# Altium PCB PCB1 - Copy.PcbDoc (part 1 of 2) (continued)
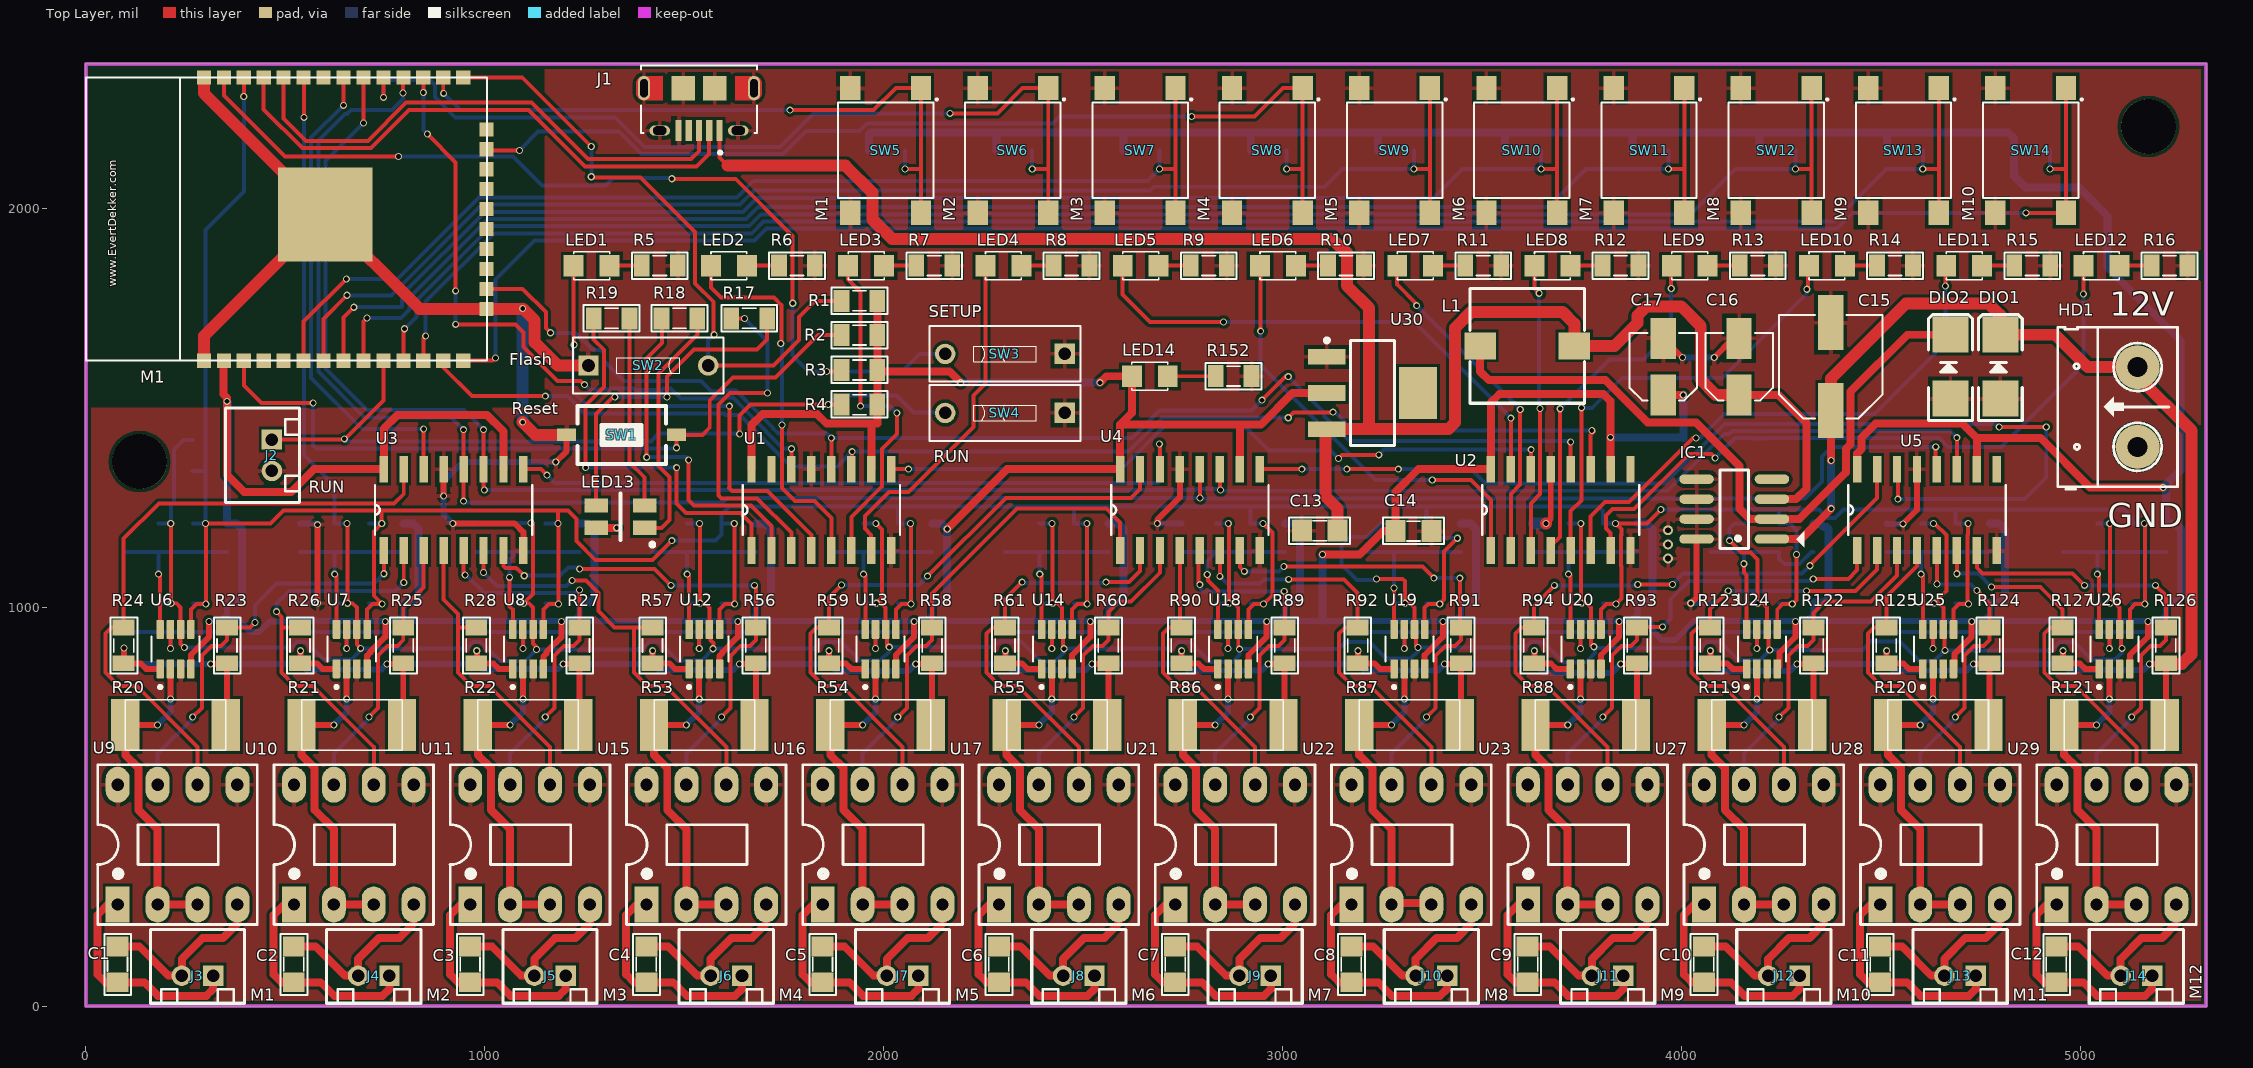
[diagram p0: Top Layer view]
## Footprints (in the part's own frame and the unit in brackets; to place one, negate y for a bottom-side part, rotate by r counter-clockwise, add the part's x,y. Pads: shape width x height; smd on the part's side, far side on the other; paste and mask are expansions set on the pad)
62000211622 [mm] "2.00mm Male Vertical Shrouded Header, 2p"
  rect 1.3x1.3 hole 0.8: 1(1,-0.6)
  round 1.3 hole 0.8: 2(-1,-0.6)
  silkscreen extent -3,-2.35 3,2.35, body extent -3,-2.35 3,2.35, height 6.15
AMPHENOL_10118194-0001LF [mm]
  rect 0.4x1.35 smd: 1(-1.3,2.7) 2(-0.65,2.7) 3(0,2.7) 4(0.65,2.7) 5(1.3,2.7)
  oval 1.3x0.65 hole 0.55 slot 0.85 at 0 deg: S1(-2.5,2.7) S2(2.5,2.7)
  oval 0.775x1.55 hole 0.5 slot 1.15 at 90 deg: S3(-3.5,0) S6(3.5,0)
  rect 1.5x1.55 smd: S4(-1,0) S5(1,0)
  Top Layer region: 193 vertices and 0 holes, not listed, extent -4,-0.775 -2.3,0.78
  Top Layer region: 193 vertices and 0 holes, not listed, extent 2.3,-0.78 4,0.775
  silkscreen extent -3.7,-1.45 3.7,4.2
CAP-ALU-SMD-4.5x5x1.4 [mm]
  rect 2.6x1.6 smd: 1(-1.8,0) 2(1.8,0)
  silkscreen extent -2.15,-2.15 2.15,2.15, body extent -2.5,-2.15 2.5,2.15, height 5.45
CAP-ALU-SMD-6.3x7.7x2.2 [mm]
  rect 3.5x1.6 smd: 1(-2.8,0) 2(2.8,0)
  silkscreen extent -3.3,-3.3 3.3,3.3, body extent -3.65,-3.3 3.65,3.3, height 7.65
DIO-SMD-106 [mil]
  rect 90x90.55 smd: 1(80,0) 2(-80,0)
  silkscreen extent -130,-55 135,55, body extent -99,-50 106,52, height 95
DIP8 [mil] "DIP, 8-Leads, Row Spacing 7.62mm, Pitch 2.54mm, Body 9.91x6.73mm"
  rect 60x90 hole 31: 1(-145,-150)
  oval 60x90 hole 31: 2(-45,-150) 3(55,-150) 4(155,-150) 5(155,150) 6(55,150) 7(-45,150) 8(-145,150)
  silkscreen extent -195,-200 205,200, body extent -213,-153 213,153, height 177
ESP32S [mm] "ESP32S-Module"
  rect 0.9x0.9 smd: 1(0,18.034) 2(0,16.764) 3(0,15.494) 4(0,14.224) 5(0,12.954) 6(0,11.684) 7(0,10.414) 8(0,9.144) 9(0,7.874) 10(0,6.604) 11(0,5.334) 12(0,4.064) 13(0,2.794) 14(0,1.524) 15(3.3,0.034) 16(4.57,0.034) 17(5.84,0.034) 18(7.11,0.034) 19(8.38,0.034) 20(9.65,0.034) 21(10.92,0.034) 22(12.19,0.034) 23(13.46,0.034) 24(14.73,0.034) 25(18.034,1.524) 26(18.034,2.794) 27(18.034,4.064) 28(18.034,5.334) 29(18.034,6.604) 30(18.034,7.874) 31(18.034,9.144) 32(18.034,10.414) 33(18.034,11.684) 34(18.034,12.954) 35(18.034,14.224) 36(18.034,15.494) 37(18.034,16.764) 38(18.034,18.034)
  rect 6x6 smd: 101(9.3,10.3)
  silkscreen extent 0,0 18.03,25.53, body extent 0,0 18.03,25.53, height 2
HED2 [mil] "Header 2, 2 pin, hight 300mil, Pin to Pin 200, Colour Green"
  round 110 hole 50: 1(0,0) 2(200,0)
  silkscreen extent -106,-100 300,200, body extent -92,-140 302,155, height 394
L-SMD-M-7.3x4.5 [mm] "WE-PDA SMD Shielded Power Inductor, 7345"
  rect 1.7x2 smd: 1(0,3) 2(0,-3)
  silkscreen extent -3.65,-3.65 3.65,3.65, body extent -3.65,-3.65 3.65,3.65, height 4.05
"LED RGB 3528" [mm] "Chip LED, 4-Leads, Body 2.8x3.5mm (max), Pitch 1.42mm, IPC Medium Density"
  rect 1.5x0.9 smd: 1(1.55,0.707) 2(1.55,-0.71) 3(-1.55,0.707) 4(-1.55,-0.707)
  silkscreen extent -2.16,-1.5 0.03,1.9, body extent -1.75,-1.4 1.75,1.4, height 1.87
LED-0805-Blue [mil]
  rect 50x55 smd: 1(0,0) 2(90,0)
  silkscreen extent 0,-35 90,35, body extent 5,-25 85,25, height 43
RES-SMD-0603 [mm]
  rect 0.6x0.9 smd: 1(-0.889,0) 2(0.927,0)
  silkscreen extent -1.4,-0.64 1.4,0.64, body extent -0.8,-0.4 0.8,0.4, height 0.43
RES-SMD-0805 [mil]
  rect 39.37x55 smd: 1(-45,0) 2(45,0)
  silkscreen extent -70,-34 70,33, body extent -39,-25 39,25, height 31
RES-SMD-2512 [mm] "Chip Capacitor, Body 3.2x2.5mm, IPC Medium Density"
  rect 1.8x3.3 smd: 1(-3.2,0.127) 2(3.2,0.127)
  silkscreen extent -3.2,-1.47 3.2,1.73, body extent -3.2,-1.47 3.2,1.73, height 0.6
SM-CAP-0805 [mil]
  rect 50x55 smd: 1(0,0) 2(90,0)
  silkscreen extent -32,-34 121,33, body extent 6,-25 84,25, height 31
SO-8 [mm] "8-Pin Small Outline Integrated Circuit 1.27 mm Pitch, IPC Medium Density"
  oval 2.2x0.6 smd: 1(-2.4,1.905) 2(-2.4,0.635) 3(-2.4,-0.635) 4(-2.4,-1.905) 5(2.4,-1.905) 6(2.4,-0.635) 7(2.4,0.635) 8(2.4,1.905)
  silkscreen extent -4.44,-2.5 0.9,2.5, body extent -2.93,-2.51 3.08,2.49, height 1.75
SOIC127P600X175-16N [mil]
  rect 67x21 smd: 1(-102,175) 2(-102,125) 3(-102,75) 4(-102,25) 5(-102,-25) 6(-102,-75) 7(-102,-125) 8(-102,-175) 9(102,-175) 10(102,-125) 11(102,-75) 12(102,-25) 13(102,25) 14(102,75) 15(102,125) 16(102,175)
  silkscreen extent -62,-197 62,197
SOT65P280X145-8N [mm]
  rrect25% 1.21x0.48 smd: 1(-1.255,0.975) 2(-1.255,0.325) 3(-1.255,-0.325) 4(-1.255,-0.975) 5(1.255,-0.975) 6(1.255,-0.325) 7(1.255,0.325) 8(1.255,0.975)
  silkscreen extent -2.51,-1.54 0.8,1.54
SOT223 [mm]
  rect 1x2.4 smd: 1(-2.3,-2.9) 2(0,-2.9) 3(2.3,-2.9)
  rect 3.3x2.4 smd: 4(0,2.9)
  silkscreen extent -3.47,-3.02 3.35,1.4, body extent -3.25,-3.56 3.25,3.4, height 1.68
SW1-SMD [mm]
  rect 1.2x0.8 smd: 1(-3.5,0) 2(3.5,0)
  silkscreen extent -2.82,-1.85 2.82,1.85, body extent -3.05,-1.85 3.05,1.85, height 2.5
SW2-SMD [mm] "6*6mm vertical type, SMD, height 5.0mm, black actuator, 160gf, T&R"
  rect 1.55x1.3 smd: 1(-3.975,2.25) 2(-3.975,-2.25) 3(3.975,-2.25) 4(3.975,2.25)
  silkscreen extent -3.29,-3.04 3.04,3.29, body extent -4.5,-3.1 4.5,3.1, height 4.99
SW-DIP1-1 [mm] "01p, 2.54mm Pitch, Horizontal, Box Type, THT, flat Actuator, red, without Tape, Tube"
  rect 1.3x1.3 hole 0.8: 1(0,-3.81)
  round 1.3 hole 0.8: 2(0,3.81)
  silkscreen extent -1.77,-4.8 1.77,4.8, body extent -1.77,-4.8 1.77,4.8, height 5.4

## Part data
C1 C2 C3 C4 C5 C6 C7 C8 C9 C10 C11 C12 C13 C14: library part CN
C15: library part CN-ALU-SMD, "Polarized Capacitor (Axial)"
C16 C17: "Polarized Capacitor (Axial)"
DIO1 DIO2: "Default Diode"
HD1: library part Hed2, "Header 2 (Green)"
IC1: library part LS1240A, "Electronic Two-Tone Ringer"
J1: "USB - micro B USB 2.0 Receptacle Connector 5 Position Surface Mount, Right Angle; Through Hole"
J2 J3 J4 J5 J6 J7 J8 J9 J10 J11 J12 J13 J14: library part 62000211622, "WR-WTB 2.00mm Male Vertical Shrouded Header, 2p"
L1: library part L-SMD-1
LED1 LED2 LED3 LED4 LED5 LED6 LED7 LED8 LED9 LED10 LED11 LED12 LED14: library part "LED SMD"
LED13: library part "LED RGB SMD", "SMD Full-Color Top LED, WL-SFTW, Red & Green & Blue"
M1: "Esp-32S"
R1 R2 R3 R4 R5 R6 R7 R8 R9 R10 R11 R12 R13 R14 R15 R16 R17 R18 R19 R20 R21 R22 R23 R24 R25 R26 R27 R28 R29 R30 R31 R32 R33 R34 R35 R36 R37 R38 R39 R40 R41 R42 R43 R44 R45 R46 R47 R48 R49 R50 R51 R52 R53 R54 R55 R56 R57 R58 R59 R60 R61 R62 R63 R64 R65 R66 R67 R68 R69 R70 R71 R72 R73 R74 R75 R76 R77 R78 R79 R80 R81 R82 R83 R84 R85 R86 R87 R88 R89 R90 R91 R92 R93 R94 R95 R96 R97 R98 R99 R100 R101 R102 R103 R104 R105 R106 R107 R108 R109 R110 R111 R112 R113 R114 R115 R116 R117 R118 R119 R120 R121 R122 R123 R124 R125 R126 R127 R128 R129 R130 R131 R132 R133 R134 R135 R136 R137 R138 R139 R140 R141 R142 R143 R144 R145 R146 R147 R148 R149 R150 R151 R152 R153 R154 R155 R156 R157 R158 R159 R160 R161 R162 R163 R164: library part Res-SMD, "Resistor"
SW1 SW2 SW3 SW4: library part SW2, "Switch button 2 pin"
SW5 SW6 SW7 SW8 SW9 SW10 SW11 SW12 SW13 SW14: library part SW4, "Switch button 4 pin"
U1 U2 U3 U4 U5: "Shift Shift Register 1 Element 8 Bit 16-SO"
U6 U7 U8 U12 U13 U14 U18 U19 U20 U24 U25 U26: "26V, 12-bit, i2c output current/voltage/power monitor 8-SOT-23 -40 to 125"
U9 U10 U11 U15 U16 U17 U21 U22 U23 U27 U28 U29: "Half-Bridge Driver"
U30: library part LM1117, "800mA Low-Dropout Linear Regulator"

## Free pads (board coordinates)
  round 137.8 hole 137.8: 2(135,1365) 2(5170,2205)
  round 25 hole 15: 6(3966,1193) 7(3966,1157.5) 8(3966,1122)

## Via types
v1: diameter 17.72, hole 11.81, Top Layer to Bottom Layer, tented both sides, 328 vias

## Nets (pads, with @x,y where several pads share a name; then routed paths per layer and width w, separated by ;. In a path a pad name is that pad's centre, name@x,y a point inside that pad or via, vN(x,y) a via of type N, cw(c..) or ccw(c..) an arc to the next point about the centre after c; other vN are vias at no path point)
3V3_1: C14.2 C17.1 LED13.1 LED14.1 M1.2 R1.1 R2.2 R3.1 R4.1 R39.1 R41.1 R43.1 R44.1 R46.1 R48.1 R72.1 R74.1 R76.1 R77.1 R79.1 R81.1 R105.1 R107.1 R109.1 R110.1 R112.1 R114.1 R138.1 R140.1 R142.1 R143.1 R145.1 R147.1 R153.1 R154.1 R155.1 R156.1 R157.1 R158.1 R159.1 R160.1 R161.1 R162.1 R163.1 R164.1 U1.10 U1.16 U2.10 U2.16 U3.10 U3.16 U4.10 U4.16 U5.10 U5.16 U6.4 U7.4 U8.4 U12.4 U13.4 U14.4 U18.4 U19.4 U20.4 U24.4 U25.4 U26.4 U30.2 | length 22175.7
  Top Layer w15: U6.4@263.38,845.59 263.38,880.38 309,926 v1(309,964) ; U7.4@705.2,845.59 705.2,878.75 713.36,886.91 713.36,888.54 750.82,926 v1(750.82,964) ; U8.4@1147.02,845.59 1147.02,876.57 1154.36,883.91 1154.36,887.72 1192.64,926 v1(1192.64,964) ; U12.4@1588.84,845.59 1588.84,878.39 1596.36,885.91 1596.36,887.9 1634.45,926 v1(1634.45,964) ; U13.4@2030.66,845.59 2030.66,880.38 2076.27,926 v1(2076.27,964) ; U14.4@2472.47,845.59 2472.47,880.38 2518.09,926 v1(2518.09,964) ; U18.4@2914.29,845.59 2914.29,880.38 2959.91,926 v1(2959.91,964) ; U19.4@3356.11,845.59 3356.11,880.38 3401.73,926 v1(3401.73,964) ; U20.4@3797.93,845.59 3797.93,880.38 3843.54,926 v1(3843.54,964) ; U24.4@4239.75,845.59 4245.36,851.2 4245.36,886 4285.36,926 v1(4285.36,964) ; U25.4@4681.56,845.59 4684.36,848.38 4684.36,883.18 4727.18,926 v1(4727.18,964) ; U26.4@5123.38,845.59 5123.38,880.38 5169,926 v1(5169,964)
  Top Layer w20: M1.2@345,1618 345,1534 354.41,1524.59 v1@354.41,1516.41 ; v1(354,1516) v1@354.41,1516.41 ; U3.10@1047,1346 1047,1441 1006,1482 781,1482 747,1448 U3.16@747,1346 572,1346 515,1289 397,1289 354.41,1331.59 v1@354.41,1516.41 ; LED13.1@1279,1199.15 v1(1330.85,1199.15) ; U1.16@1668.75,1346 1668.75,1456.75 1695.86,1483.86 1833.14,1483.86 1857,1460 1984,1460 R4.1@1984,1508 R3.1@1984,1591.41 ; U1.10@1968.75,1346 1968.86,1346.11 1968.86,1458.89 1968.75,1459 ; R1.1@1984,1768 R3.1@1984,1594.67 R3.1@1984,1591.41 ; v1(2159.27,1196) 2309.27,1346 U4.16@2592.5,1346 2592.5,1457.5 ; v1(2193,1563) 2164.59,1591.41 R3.1@1984,1591.41 ; v1(2542,1563) 2558,1579 LED14.1@2622,1579 2622,1487 2592.5,1457.5 ; U4.10@2892.5,1346 2892.5,1456 2894,1457.5 ; v1(3100,1132) 3193,1132 3252,1191 C14.2@3283,1191 3283,1289 3340,1346 U2.16@3522,1346 3522,1513 3543,1534 3804.4,1534 3822,1516.4 v1(3822,1426) U2.10@3822,1346 ; U30.2@3110.83,1537 3025,1537 2945.5,1457.5 2894,1457.5 ; C17.1@3954,1532.13 v1(4004.13,1532.13) ; U5.16@4440,1346 4440,1385.4 4451.5,1396.9 4451.5,1425.5 4486,1460 4704,1460 4740,1424 ; U5.10@4740,1346 4740,1424 ; v1(5207,1300) 5024,1300 4900,1424 4740,1424 ; 2592.5,1457.5 2894,1457.5
  Bottom Layer w15: v1(309,964) 310.82,965.82 338.82,965.82 ; R44.1@354.41,1010 354.41,981.41 338.82,965.82 ; R46.1@796.23,1010 796.23,981.41 780.64,965.82 ; R48.1@1238.05,1010 1238.05,981.41 1222.46,965.82 ; R77.1@1679.87,1010 1679.87,981.41 1664.28,965.82 ; R79.1@2121.69,1010 2121.69,981.41 2106.1,965.82 ; R81.1@2563.51,1010 2563.51,981.41 2547.91,965.82 ; R110.1@3005.32,1010 3005.32,981.41 2989.73,965.82 ; R112.1@3447.14,1010 3447.14,981.41 3431.55,965.82 ; R114.1@3888.96,1010 3888.96,981.41 3873.37,965.82 ; R143.1@4330.78,1010 4330.78,981.41 4315.19,965.82 ; R145.1@4772.6,1010 4772.6,981.41 4757,965.82 ; R147.1@5214.41,1010 5214.41,981.41 5198.82,965.82 5170.82,965.82 v1(5169,964) 5167.18,965.82 4757,965.82 ; 338.82,965.82 385.73,965.82 413.91,937.64 434.09,937.64 460.45,964 511.43,964 513.26,965.82 749,965.82 v1(750.82,964) 752.64,965.82 780.64,965.82 ; 780.64,965.82 1190.81,965.82 v1(1192.64,964) 1194.46,965.82 1222.46,965.82 ; 1222.46,965.82 1632.63,965.82 v1(1634.45,964) 1636.28,965.82 1664.28,965.82 ; 1664.28,965.82 2074.45,965.82 v1(2076.27,964) 2078.1,965.82 2106.1,965.82 ; 2106.1,965.82 2516.27,965.82 v1(2518.09,964) 2519.91,965.82 2547.91,965.82 ; 2547.91,965.82 2958.09,965.82 v1(2959.91,964) 2961.73,965.82 2989.73,965.82 ; 2989.73,965.82 3399.9,965.82 v1(3401.73,964) 3403.55,965.82 3431.55,965.82 ; 3431.55,965.82 3841.72,965.82 v1(3843.54,964) 3845.37,965.82 3873.37,965.82 ; 3873.37,965.82 3914.18,965.82 3927.64,952.36 3927.64,940.91 3950.55,918 3984,918 4031.82,965.82 4283.54,965.82 v1(4285.36,964) 4287.19,965.82 4315.19,965.82 ; 4315.19,965.82 4725.36,965.82 v1(4727.18,964) 4729,965.82 4757,965.82
  Bottom Layer w20: v1(354,1516) 357,1513 R163.1@357,1419 R164.1@357,1342 354.41,1339.41 R39.1@354.41,1210 378,1210 392,1196 392,1024 380,1012 356.41,1012 R44.1@354.41,1010 ; R46.1@796.23,1010 798.23,1012 821.82,1012 833.82,1024 833.82,1196 819.81,1210 R41.1@796.23,1210 ; R48.1@1238.05,1010 1240.05,1012 1263.64,1012 1275.64,1024 1275.64,1196 ; R43.1@1238.05,1210 1261.63,1210 1275.64,1196 ; v1(1330.85,1199.15) 1331,1199 1278.64,1199 1275.64,1196 ; R77.1@1679.87,1010 1681.87,1012 1705.45,1012 1717.45,1024 1717.45,1196 1703.45,1210 R72.1@1679.87,1210 ; R153.1@1963.4,2144.5 1963.4,2185.4 1968,2190 2282.28,2190 ; R79.1@2121.69,1010 2123.68,1012 2147.27,1012 2159.27,1024 v1(2159.27,1196) 2145.27,1210 R74.1@2121.69,1210 ; v1(2193,1563) v1(2542,1563) ; R154.1@2282.28,2144.5 2282.28,2190 ; R81.1@2563.51,1010 2565.5,1012 2589.09,1012 2601.09,1024 2601.09,1196 2587.09,1210 R76.1@2563.51,1210 ; R155.1@2601.17,2144.5 2601.17,2182.83 ; R156.1@2920.06,2144.5 2920.06,2189.94 ; R110.1@3005.32,1010 3007.32,1012 3030.91,1012 3042.91,1024 3042.91,1196 3028.91,1210 R105.1@3005.32,1210 ; 3100,966.82 v1(3100,1132) ; R157.1@3238.95,2144.5 3238.95,2189.05 ; R112.1@3447.14,1010 3449.14,1012 3472.73,1012 3484.73,1024 3484.73,1196 3470.72,1210 R107.1@3447.14,1210 ; R158.1@3557.84,2144.5 3557.84,2189.84 3356.25,2189.84 3356.09,2190 3301.81,2190 3301.65,2189.84 3037.36,2189.84 3037.2,2190 2982.92,2190 2982.76,2189.84 2718.47,2189.84 2718.31,2190 2664.03,2190 2663.87,2189.84 2399.59,2189.84 2399.42,2190 2282.28,2190 ; 3558,2190 3877,2190 ; v1(3822,1426) 3821,1425 4004,1425 4005,1424 4005,1533 v1(4004.13,1532.13) ; R159.1@3876.73,2144.5 3876.73,2189.73 3877,2190 ; R114.1@3888.96,1010 3890.96,1012 3914.54,1012 3926.54,1024 3926.54,1196 3912.54,1210 R109.1@3888.96,1210 ; R160.1@4195.62,2144.5 4195.62,2186.38 ; R143.1@4330.78,1010 4332.77,1012 4356.36,1012 4368.36,1024 4368.36,1196 4363.36,1201 4355.95,1201 4346.94,1210 R138.1@4330.78,1210 ; R161.1@4514.51,2144.5 4514.51,2188.49 4513,2190 ; R145.1@4772.6,1010 4774.59,1012 4798.18,1012 4810.18,1024 4810.18,1196 4796.18,1210 R140.1@4772.6,1210 ; R147.1@5214.41,1010 5216.41,1012 5240,1012 5252,1024 5252,1196 5238,1210 R142.1@5214.41,1210 5214.41,1292.59 v1(5207,1300) 5250,1343 5250,1669 5068,1851 5068,1980 4996,2052 4862,2052 4833.39,2080.61 R162.1@4833.39,2144.5 4833.39,2174.61 4818,2190 4513,2190 ; 3877,2190 4513,2190
5V: C13.2 C16.1 IC1.3 J1.1 L1.1 U30.3 | length 4557.4
  Top Layer w10: J1.1@1588.18,2194.7 1588.18,2127.82 1609,2107
  Top Layer w20: C16.1@4144,1532.13 4242.87,1532.13 4313,1462 4313,1297 4287,1271 IC1.3@4226.49,1271
  Top Layer w30: 1609,2107 1904,2107 1972,2039 1972,1972 2021,1923 3124,1923 3140,1907 3142.91,1907 3161.01,1888.9 3161.01,1806 3217,1750.01 3217,1446.45 ; C13.2@3138,1192 3138,1247 3107,1278 3107,1442.62 U30.3@3110.83,1446.45 3217,1446.45 ; C16.1@4144,1532.13 4085.87,1532.13 4048,1570 4048,1705 3999,1754 3912,1754 3889,1731 3889,1712 3832,1655 L1.1@3731.11,1655 3731.11,1710.89 3702,1740 3472.05,1740 3432.52,1700.47 3432.52,1463.52 3415.45,1446.45 3217,1446.45
12V: C15.1 DIO1.2 HD1.2 IC1.1 R20.1 R21.1 R22.1 R23.1 R24.1 R25.1 R26.1 R27.1 R28.1 R53.1 R54.1 R55.1 R56.1 R57.1 R58.1 R59.1 R60.1 R61.1 R86.1 R87.1 R88.1 R89.1 R90.1 R91.1 R92.1 R93.1 R94.1 R119.1 R120.1 R121.1 R122.1 R123.1 R124.1 R125.1 R126.1 R127.1 U6.1 U7.1 U8.1 U12.1 U13.1 U14.1 U18.1 U19.1 U20.1 U24.1 U25.1 U26.1 | length 11838.3
  Top Layer w15: v1(96,898) 96,859.47 95.53,859 138,859 151.41,845.59 U6.1@186.61,845.59 ; v1(313,858) 352.47,858 R23.1@353.91,859.45 353.91,707.93 R20.1@350.98,705 ; v1(538,891) 538,859.65 537.35,859 579.82,859 593.23,845.59 U7.1@628.43,845.59 ; v1(754.82,858) 794.29,858 R25.1@795.73,859.45 795.73,707.93 R21.1@792.8,705 ; v1(980,891) 980,859.84 979.16,859 1021.64,859 1035.05,845.59 U8.1@1070.25,845.59 ; v1(1196.64,858) 1236.1,858 R27.1@1237.55,859.45 1237.55,707.93 R22.1@1234.62,705 ; v1(1421,891) 1421,859.93 1421.45,859.47 1420.98,859 1463.45,859 1476.86,845.59 U12.1@1512.07,845.59 ; v1(1638.45,858) 1677.92,858 R56.1@1679.37,859.45 1679.37,707.93 R53.1@1676.44,705 ; v1(1863,891) 1863,859.74 1863.27,859.47 1862.8,859 1905.27,859 1918.68,845.59 U13.1@1953.88,845.59 ; v1(2080.27,858) 2119.74,858 R58.1@2121.19,859.45 2121.19,707.93 R54.1@2118.25,705 ; v1(2305,891) 2305,859.56 2305.09,859.47 2304.62,859 2347.09,859 2360.5,845.59 U14.1@2395.7,845.59 ; v1(2522.09,858) 2561.56,858 R60.1@2563.01,859.45 2563.01,707.93 R55.1@2560.07,705 ; v1(2747,891) 2747,859.56 2746.44,859 2788.91,859 2802.32,845.59 U18.1@2837.52,845.59 ; v1(2963.91,858) 3003.38,858 R89.1@3004.82,859.45 3004.82,707.93 R86.1@3001.89,705 ; v1(3189,891) 3189,859.75 3188.25,859 3230.73,859 3244.14,845.59 U19.1@3279.34,845.59 ; v1(3405.73,858) 3445.19,858 R91.1@3446.64,859.45 3446.64,707.93 R87.1@3443.71,705 ; v1(3631,891) 3631,859.93 3630.07,859 3672.54,859 3685.95,845.59 U20.1@3721.16,845.59 ; v1(3847.54,858) 3887.01,858 R93.1@3888.46,859.45 3888.46,707.93 R88.1@3885.53,705 ; v1(4072,891) 4072,859.84 4072.36,859.47 4071.89,859 4114.36,859 4127.77,845.59 U24.1@4162.97,845.59 ; v1(4289.36,858) 4328.83,858 R122.1@4330.28,859.45 4330.28,707.93 R119.1@4327.34,705 ; v1(4514,891) 4514,859.65 4514.18,859.47 4513.71,859 4556.18,859 4569.59,845.59 U25.1@4604.79,845.59 ; v1(4731.18,858) 4770.65,858 R124.1@4772.1,859.45 4772.1,707.93 R120.1@4769.16,705 ; v1(4956,891) 4956,859.47 4955.53,859 4998,859 5011.41,845.59 U26.1@5046.61,845.59 ; v1(5173,858) R126.1@5212.47,858 ; R121.1@5210.98,705 5213.91,707.93 R126.1@5213.91,858
  Top Layer w20: IC1.1@4226.49,1171 4299,1171 v1(4375,1247) ; C15.1@4374,1492.76 4374,1369 v1(4375,1368)
  Top Layer w30: C15.1@4374,1492.76 4374,1573 4562,1761 4770,1761 4799,1732 DIO1.2@4799,1683 4937,1683 5018,1602 HD1.2@5143,1602 5143,1578 5278,1443 5278,882 5254,858 5213.91,858 R126.1@5212.47,858
  Bottom Layer w15: v1(96,898) 96,858.53 96.53,858 v1(313,858) 537.29,858 537.82,858.53 ; v1(538,891) 538,858.71 537.82,858.53 ; 979.11,858 v1(754.82,858) 740.82,844 552.35,844 537.82,858.53 ; v1(980,891) 980,858.89 979.64,858.53 993.16,845 1183.64,845 v1(1196.64,858) 1420.93,858 ; v1(1421,891) 1421,858.98 1436.98,843 1623.45,843 v1(1638.45,858) 1862.74,858 ; v1(1863,891) 1863,858.8 1881.8,840 2062.27,840 v1(2080.27,858) 2304.56,858 ; v1(2305,891) 2305,858.62 2320.62,843 2507.09,843 v1(2522.09,858) 2746.38,858 ; v1(2747,891) 2747,858.62 2746.91,858.53 2764.44,841 2946.91,841 v1(2963.91,858) 3188.2,858 ; v1(3189,891) 3189,858.8 3188.73,858.53 3206.25,841 3388.73,841 v1(3405.73,858) 3630.02,858 ; v1(3631,891) 3631,858.98 3630.54,858.53 3654.07,835 3824.54,835 v1(3847.54,858) 4071.84,858 ; v1(4072,891) 4072,858.89 4090.89,840 4271.36,840 v1(4289.36,858) 4513.65,858 ; v1(4514,891) 4514,858.71 4530.71,842 4715.18,842 v1(4731.18,858) 4955.47,858 ; v1(4956,891) 4956,858.53 4971.53,843 5158,843 v1(5173,858)
  Bottom Layer w20: v1(4375,1247) v1(4375,1368)
A0_1: R32.2 R38.2 R44.2 R50.2 U6.7 | length 350.5
  Top Layer w10: v1(212.2,896.8) U6.7@212.2,944.41
  Bottom Layer w10: R50.2@95.58,938.51 R38.2@181.85,938.51 212,938.51 ; v1(212.2,896.8) 213,896 213,937.51 212,938.51 ; R44.2@354.41,938.51 R32.2@268.13,938.51 212,938.51
A0_2: R34.2 R40.2 R46.2 R51.2 U7.7 | length 350.5
  Top Layer w10: v1(654.02,896.8) U7.7@654.02,944.41
  Bottom Layer w10: R51.2@537.39,938.51 R40.2@623.67,938.51 653.82,938.51 ; v1(654.02,896.8) 654.82,896 654.82,937.51 653.82,938.51 ; R46.2@796.23,938.51 R34.2@709.95,938.51 653.82,938.51
A0_3: R36.2 R42.2 R48.2 R52.2 U8.7 | length 350.5
  Top Layer w10: v1(1095.84,896.8) U8.7@1095.84,944.41
  Bottom Layer w10: R52.2@979.21,938.51 R42.2@1065.49,938.51 1095.64,938.51 ; v1(1095.84,896.8) 1096.64,896 1096.64,937.51 1095.64,938.51 ; R48.2@1238.05,938.51 R36.2@1151.77,938.51 1095.64,938.51
A0_4: R65.2 R71.2 R77.2 R83.2 U12.7 | length 350.5
  Top Layer w10: v1(1537.66,896.8) U12.7@1537.66,944.41
  Bottom Layer w10: R83.2@1421.03,938.51 R71.2@1507.31,938.51 1537.45,938.51 ; v1(1537.66,896.8) 1538.45,896 1538.45,937.51 1537.45,938.51 ; R77.2@1679.86,938.51 R65.2@1593.59,938.51 1537.45,938.51
A0_5: R67.2 R73.2 R79.2 R84.2 U13.7 | length 350.5
  Top Layer w10: v1(1979.47,896.8) U13.7@1979.47,944.41
  Bottom Layer w10: R84.2@1862.85,938.51 R73.2@1949.13,938.51 1979.27,938.51 ; v1(1979.47,896.8) 1980.27,896 1980.27,937.51 1979.27,938.51 ; R79.2@2121.68,938.51 R67.2@2035.4,938.51 1979.27,938.51
A0_6: R69.2 R75.2 R81.2 R85.2 U14.7 | length 350.5
  Top Layer w10: v1(2421.29,896.8) U14.7@2421.29,944.41
  Bottom Layer w10: R85.2@2304.67,938.51 R75.2@2390.94,938.51 2421.09,938.51 ; v1(2421.29,896.8) 2422.09,896 2422.09,937.51 2421.09,938.51 ; R81.2@2563.5,938.51 R69.2@2477.22,938.51 2421.09,938.51
A0_7: R98.2 R104.2 R110.2 R116.2 U18.7 | length 350.5
  Top Layer w10: v1(2863.11,896.8) U18.7@2863.11,944.41
  Bottom Layer w10: R116.2@2746.48,938.51 R104.2@2832.76,938.51 2862.91,938.51 ; v1(2863.11,896.8) 2863.91,896 2863.91,937.51 2862.91,938.51 ; R110.2@3005.32,938.51 R98.2@2919.04,938.51 2862.91,938.51
A0_8: R100.2 R106.2 R112.2 R117.2 U19.7 | length 350.5
  Top Layer w10: v1(3304.93,896.8) U19.7@3304.93,944.41
  Bottom Layer w10: R117.2@3188.3,938.51 R106.2@3274.58,938.51 3304.73,938.51 ; v1(3304.93,896.8) 3305.73,896 3305.73,937.51 3304.73,938.51 ; R112.2@3447.14,938.51 R100.2@3360.86,938.51 3304.73,938.51
A0_9: R102.2 R108.2 R114.2 R118.2 U20.7 | length 350.5
  Top Layer w10: v1(3746.75,896.8) U20.7@3746.75,944.41
  Bottom Layer w10: R118.2@3630.12,938.51 R108.2@3716.4,938.51 3746.54,938.51 ; v1(3746.75,896.8) 3747.54,896 3747.54,937.51 3746.54,938.51 ; R114.2@3888.95,938.51 R102.2@3802.68,938.51 3746.54,938.51
A0_10: R131.2 R137.2 R143.2 R149.2 U24.7 | length 350.5
  Top Layer w10: v1(4188.57,896.8) U24.7@4188.57,944.41
  Bottom Layer w10: R149.2@4071.94,938.51 R137.2@4158.22,938.51 4188.36,938.51 ; v1(4188.57,896.8) 4189.36,896 4189.36,937.51 4188.36,938.51 ; R143.2@4330.77,938.51 R131.2@4244.49,938.51 4188.36,938.51
A0_11: R133.2 R139.2 R145.2 R150.2 U25.7 | length 350.5
  Top Layer w10: v1(4630.38,896.8) U25.7@4630.38,944.41
  Bottom Layer w10: R150.2@4513.76,938.51 R139.2@4600.04,938.51 4630.18,938.51 ; v1(4630.38,896.8) 4631.18,896 4631.18,937.51 4630.18,938.51 ; R145.2@4772.59,938.51 R133.2@4686.31,938.51 4630.18,938.51
A0_12: R135.2 R141.2 R147.2 R151.2 U26.7 | length 350.5
  Top Layer w10: v1(5072.2,896.8) U26.7@5072.2,944.41
  Bottom Layer w10: R151.2@4955.58,938.51 R141.2@5041.85,938.51 5072,938.51 ; v1(5072.2,896.8) 5073,896 5073,937.51 5072,938.51 ; R147.2@5214.41,938.51 R135.2@5128.13,938.51 5072,938.51
A1_1: R29.2 R33.2 R39.2 R45.2 U6.8 | length 456.9
  Top Layer w10: v1(182,1083) 183,1084 186.61,1080.39 U6.8@186.61,944.41
  Bottom Layer w10: R45.2@95.58,1138.51 R33.2@181.85,1138.51 ; v1(182,1083) 182,1138.37 R33.2@181.85,1138.51 ; R39.2@354.41,1138.51 R29.2@268.13,1138.51 R33.2@181.85,1138.51
A1_2: R30.2 R35.2 R41.2 R47.2 U7.8 | length 456.9
  Top Layer w10: v1(623.82,1083) 624.82,1084 628.43,1080.39 U7.8@628.43,944.41
  Bottom Layer w10: R47.2@537.39,1138.51 R35.2@623.67,1138.51 ; v1(623.82,1083) 623.82,1138.37 R35.2@623.67,1138.51 ; R41.2@796.23,1138.51 R30.2@709.95,1138.51 R35.2@623.67,1138.51
A1_3: R31.2 R37.2 R43.2 R49.2 U8.8 | length 464
  Top Layer w10: v1(1062,1075) 1062,1002 1070.25,993.75 U8.8@1070.25,944.41
  Bottom Layer w10: R49.2@979.21,1138.51 R37.2@1065.49,1138.51 ; v1(1062,1075) 1062,1120 1073,1131 R37.2@1065.49,1138.51 ; R43.2@1238.05,1138.51 R31.2@1151.77,1138.51 R37.2@1065.49,1138.51
A1_4: R62.2 R66.2 R72.2 R78.2 U12.8 | length 456.9
  Top Layer w10: v1(1507.45,1083) 1508.45,1084 1512.07,1080.39 U12.8@1512.07,944.41
  Bottom Layer w10: R78.2@1421.03,1138.51 R66.2@1507.31,1138.51 ; v1(1507.45,1083) 1507.45,1138.37 R66.2@1507.31,1138.51 ; R72.2@1679.86,1138.51 R62.2@1593.59,1138.51 R66.2@1507.31,1138.51
A1_5: R63.2 R68.2 R74.2 R80.2 U13.8 | length 456.9
  Top Layer w10: v1(1949.27,1083) 1950.27,1084 1953.88,1080.39 U13.8@1953.88,944.41
  Bottom Layer w10: R80.2@1862.85,1138.51 R68.2@1949.13,1138.51 ; v1(1949.27,1083) 1949.27,1138.37 R68.2@1949.13,1138.51 ; R74.2@2121.68,1138.51 R63.2@2035.4,1138.51 R68.2@1949.13,1138.51
A1_6: R64.2 R70.2 R76.2 R82.2 U14.8 | length 456.9
  Top Layer w10: v1(2391.09,1083) 2392.09,1084 2395.7,1080.39 U14.8@2395.7,944.41
  Bottom Layer w10: R82.2@2304.67,1138.51 R70.2@2390.94,1138.51 ; v1(2391.09,1083) 2391.09,1138.37 R70.2@2390.94,1138.51 ; R76.2@2563.5,1138.51 R64.2@2477.22,1138.51 R70.2@2390.94,1138.51
A1_7: R95.2 R99.2 R105.2 R111.2 U18.8 | length 477.1
  Top Layer w10: v1(2811,1082) 2813,1084 2813,1066.91 2837.52,1042.39 U18.8@2837.52,944.41
  Bottom Layer w10: R111.2@2746.48,1138.51 R99.2@2832.76,1138.51 ; v1(2811,1082) 2811,1116.46 2832.91,1138.37 R99.2@2832.76,1138.51 ; R105.2@3005.32,1138.51 R95.2@2919.04,1138.51 R99.2@2832.76,1138.51
A1_8: R96.2 R101.2 R107.2 R113.2 U19.8 | length 454.9
  Top Layer w10: U19.8@3279.34,944.41 v1(3279.34,1048)
  Bottom Layer w10: R113.2@3188.3,1138.51 R101.2@3274.58,1138.51 ; v1(3279.34,1048) 3279.34,1133.75 R101.2@3274.58,1138.51 ; R107.2@3447.14,1138.51 R96.2@3360.86,1138.51 R101.2@3274.58,1138.51
A1_9: R97.2 R103.2 R109.2 R115.2 U20.8 | length 456.9
  Top Layer w10: v1(3716.54,1083) 3717.54,1084 3721.16,1080.39 U20.8@3721.16,944.41
  Bottom Layer w10: R115.2@3630.12,1138.51 R103.2@3716.4,1138.51 ; v1(3716.54,1083) 3716.54,1138.37 R103.2@3716.4,1138.51 ; R109.2@3888.95,1138.51 R97.2@3802.68,1138.51 R103.2@3716.4,1138.51
A1_10: R128.2 R132.2 R138.2 R144.2 U24.8 | length 492.1
  Top Layer w10: v1(4156,1109) 4156,1087.36 4162.97,1080.39 U24.8@4162.97,944.41
  Bottom Layer w10: R144.2@4071.94,1138.51 R132.2@4158.22,1138.51 ; v1(4156,1109) 4156,1136 4158.36,1138.37 R132.2@4158.22,1138.51 ; R138.2@4330.77,1138.51 4325.42,1138.51 4294.91,1108 4258,1108 4244.49,1121.51 R128.2@4244.49,1138.51 R132.2@4158.22,1138.51
A1_11: R129.2 R134.2 R140.2 R146.2 U25.8 | length 456.9
  Top Layer w10: v1(4600.18,1083) 4601.18,1084 4604.79,1080.39 U25.8@4604.79,944.41
  Bottom Layer w10: R146.2@4513.76,1138.51 R134.2@4600.04,1138.51 ; v1(4600.18,1083) 4600.18,1138.37 R134.2@4600.04,1138.51 ; R140.2@4772.59,1138.51 R129.2@4686.31,1138.51 R134.2@4600.04,1138.51
A1_12: R130.2 R136.2 R142.2 R148.2 U26.8 | length 456.9
  Top Layer w10: v1(5042,1083) 5043,1084 5046.61,1080.39 U26.8@5046.61,944.41
  Bottom Layer w10: R148.2@4955.58,1138.51 R136.2@5041.85,1138.51 ; v1(5042,1083) 5042,1138.37 R136.2@5041.85,1138.51 ; R142.2@5214.41,1138.51 R130.2@5128.13,1138.51 R136.2@5041.85,1138.51
BTN_M1: M1.26 R153.2 SW5.1 SW5.4 | length 1677.6
  Top Layer w10: M1.26@896,2328 896,2289 v1(897,2288) ; v1(1765,2246) 1975,2246 2030.49,2301.49 SW5.1@2093.58,2301.49 2093.58,2098 ; v1(2053.4,2098.4) 2053,2098 2093.58,2098 ; SW5.4@2093.58,1988.5 2093.58,2098
  Bottom Layer w10: v1(897,2288) 939,2246 v1(1765,2246) ; v1(2053.4,2098.4) R153.2@2053.4,2144.5
BTN_M2: M1.29 R154.2 SW6.1 SW6.4 | length 2303.4
  Top Layer w10: v1(746,2278) M1.29@746,2328 ; v1(2166,2238) 2285,2238 2348.49,2301.49 SW6.1@2412.47,2301.49 2412.47,2098 ; v1@2371.89,2098 2412.47,2098 ; SW6.4@2412.47,1988.5 2412.47,2098
  Bottom Layer w10: v1(746,2278) 746,2315 752,2321 863,2321 875.14,2308.86 875.14,2278.95 926.09,2228 1326,2228 1400,2154 1740,2154 1824,2238 v1(2166,2238) ; v1(2372.28,2098.4) R154.2@2372.28,2144.5
BTN_M3: M1.6 R155.2 SW7.1 SW7.4 | length 2801.2
  Top Layer w10: M1.6@546,1618 546,1716 v1(653,1823) ; v1@2690.78,2098 2731.36,2098 ; SW7.4@2731.36,1988.5 2731.36,2098 ; SW7.1@2731.36,2301.5 2731.36,2098
  Bottom Layer w10: v1(653,1823) 781.72,1823 985.72,2027 1632,2027 1674,2069 2661.78,2069 v1(2691.17,2098.4) R155.2@2691.17,2144.5
BTN_M4: M1.23 R156.2 SW8.1 SW8.4 | length 2557.7
  Top Layer w10: M1.23@1004.66,2147.92 1007.58,2145 v1(1087,2145) ; v1(2772,2230) 2929,2230 3000.5,2301.5 SW8.1@3050.25,2301.5 3050.25,2098 ; v1@3009.67,2098 3050.25,2098 ; SW8.4@3050.25,1988.5 3050.25,2098
  Bottom Layer w10: v1(1087,2145) 1134,2192 1336.54,2192 1392.54,2136 1747.46,2136 1805.46,2194 1939.47,2194 1958.47,2213 2424,2213 2441,2230 v1(2772,2230) ; v1(3010.06,2098.4) R156.2@3010.06,2144.5
BTN_M5: M1.7 R157.2 SW9.1 SW9.4 | length 3393.1
  Top Layer w10: M1.7@596,1618 596,1723 v1(655,1782) ; v1@3328.56,2098 3369.14,2098 ; SW9.4@3369.14,1988.5 3369.14,2098 ; SW9.1@3369.14,2301.5 3369.14,2098
  Bottom Layer w10: v1(655,1782) 766.18,1782 993.18,2009 1639.46,2009 1674.46,2044 2666.78,2044 2676.78,2054 3105,2054 3149.4,2098.4 v1(3328.95,2098.4) R157.2@3328.95,2144.5
BTN_M6: M1.8 R158.2 SW10.1 SW10.4 | length 3681.3
  Top Layer w10: M1.8@646,1618 646,1726 v1(672,1752) ; v1@3647.44,2098 3688.03,2098 ; SW10.4@3688.03,1988.5 3688.03,2098 ; SW10.1@3688.03,2301.5 3688.03,2098
  Bottom Layer w10: v1(672,1752) 791.54,1752 793,1753.46 793,1783.37 1000.63,1991 1646.91,1991 1681.91,2026 3378,2026 3450.4,2098.4 v1(3647.84,2098.4) R158.2@3647.84,2144.5